# KiCad board mtk64_R_rev2.kicad_pcb
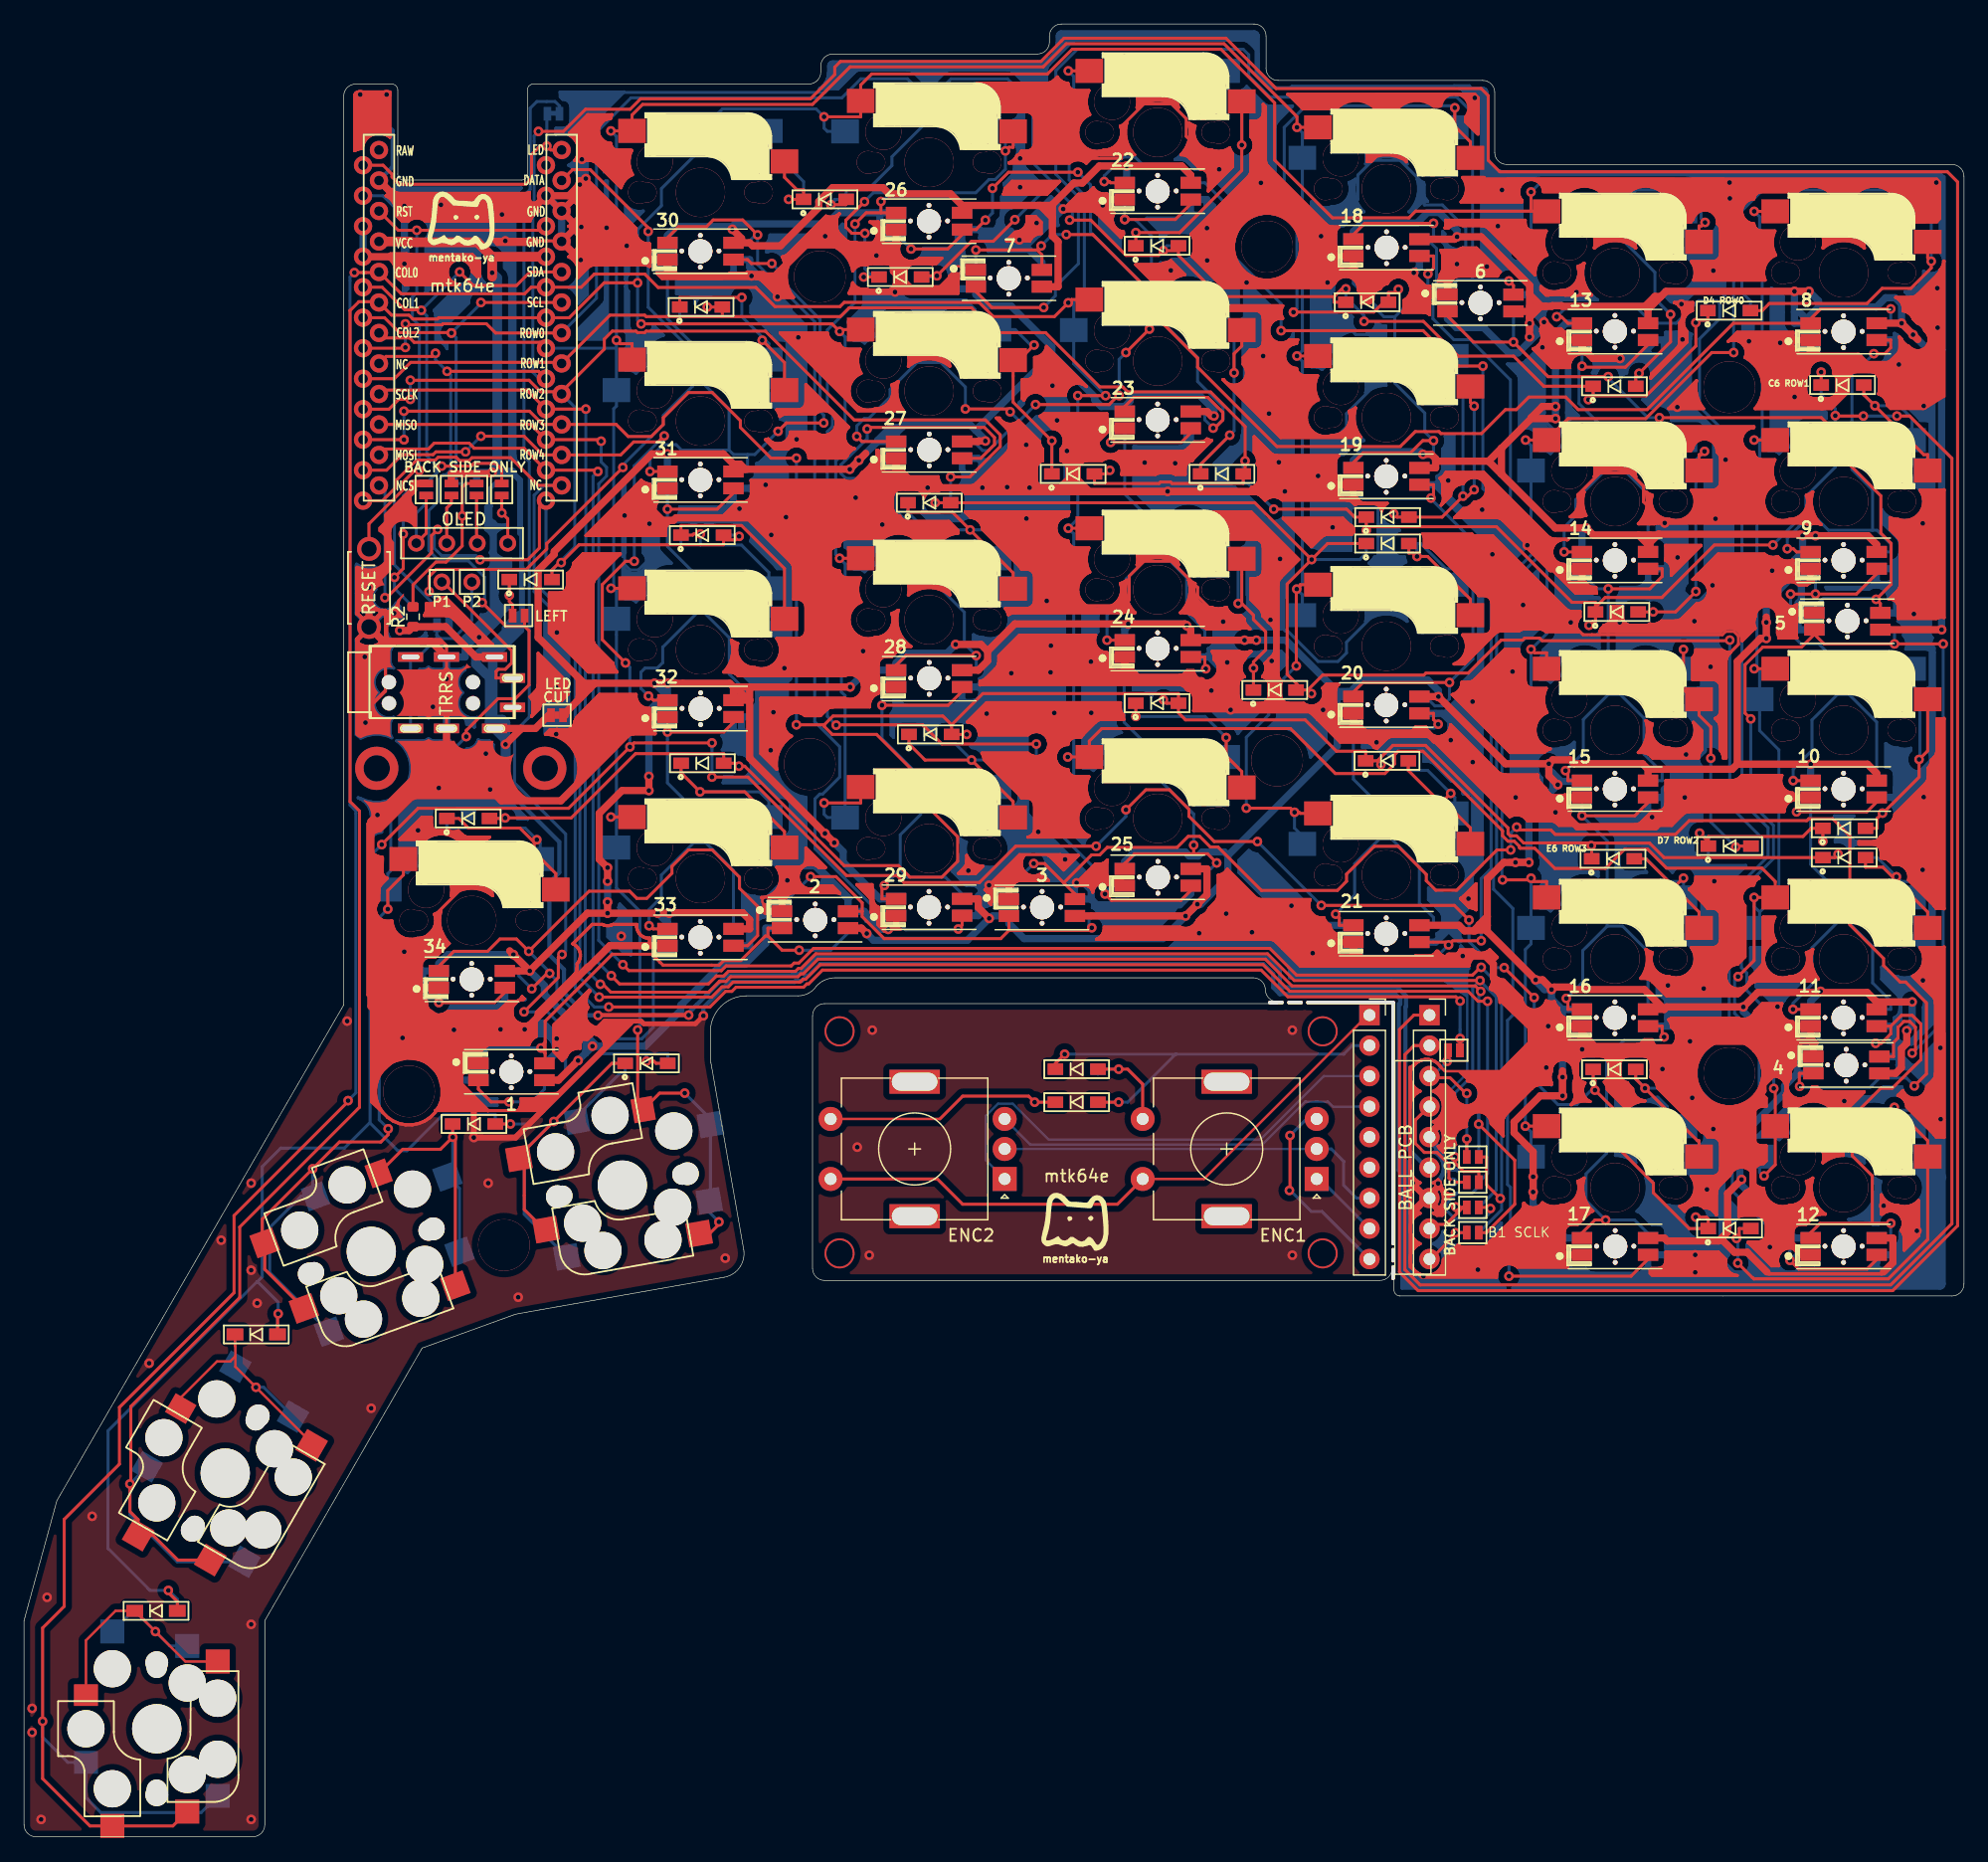
[diagram p0: board, top side]
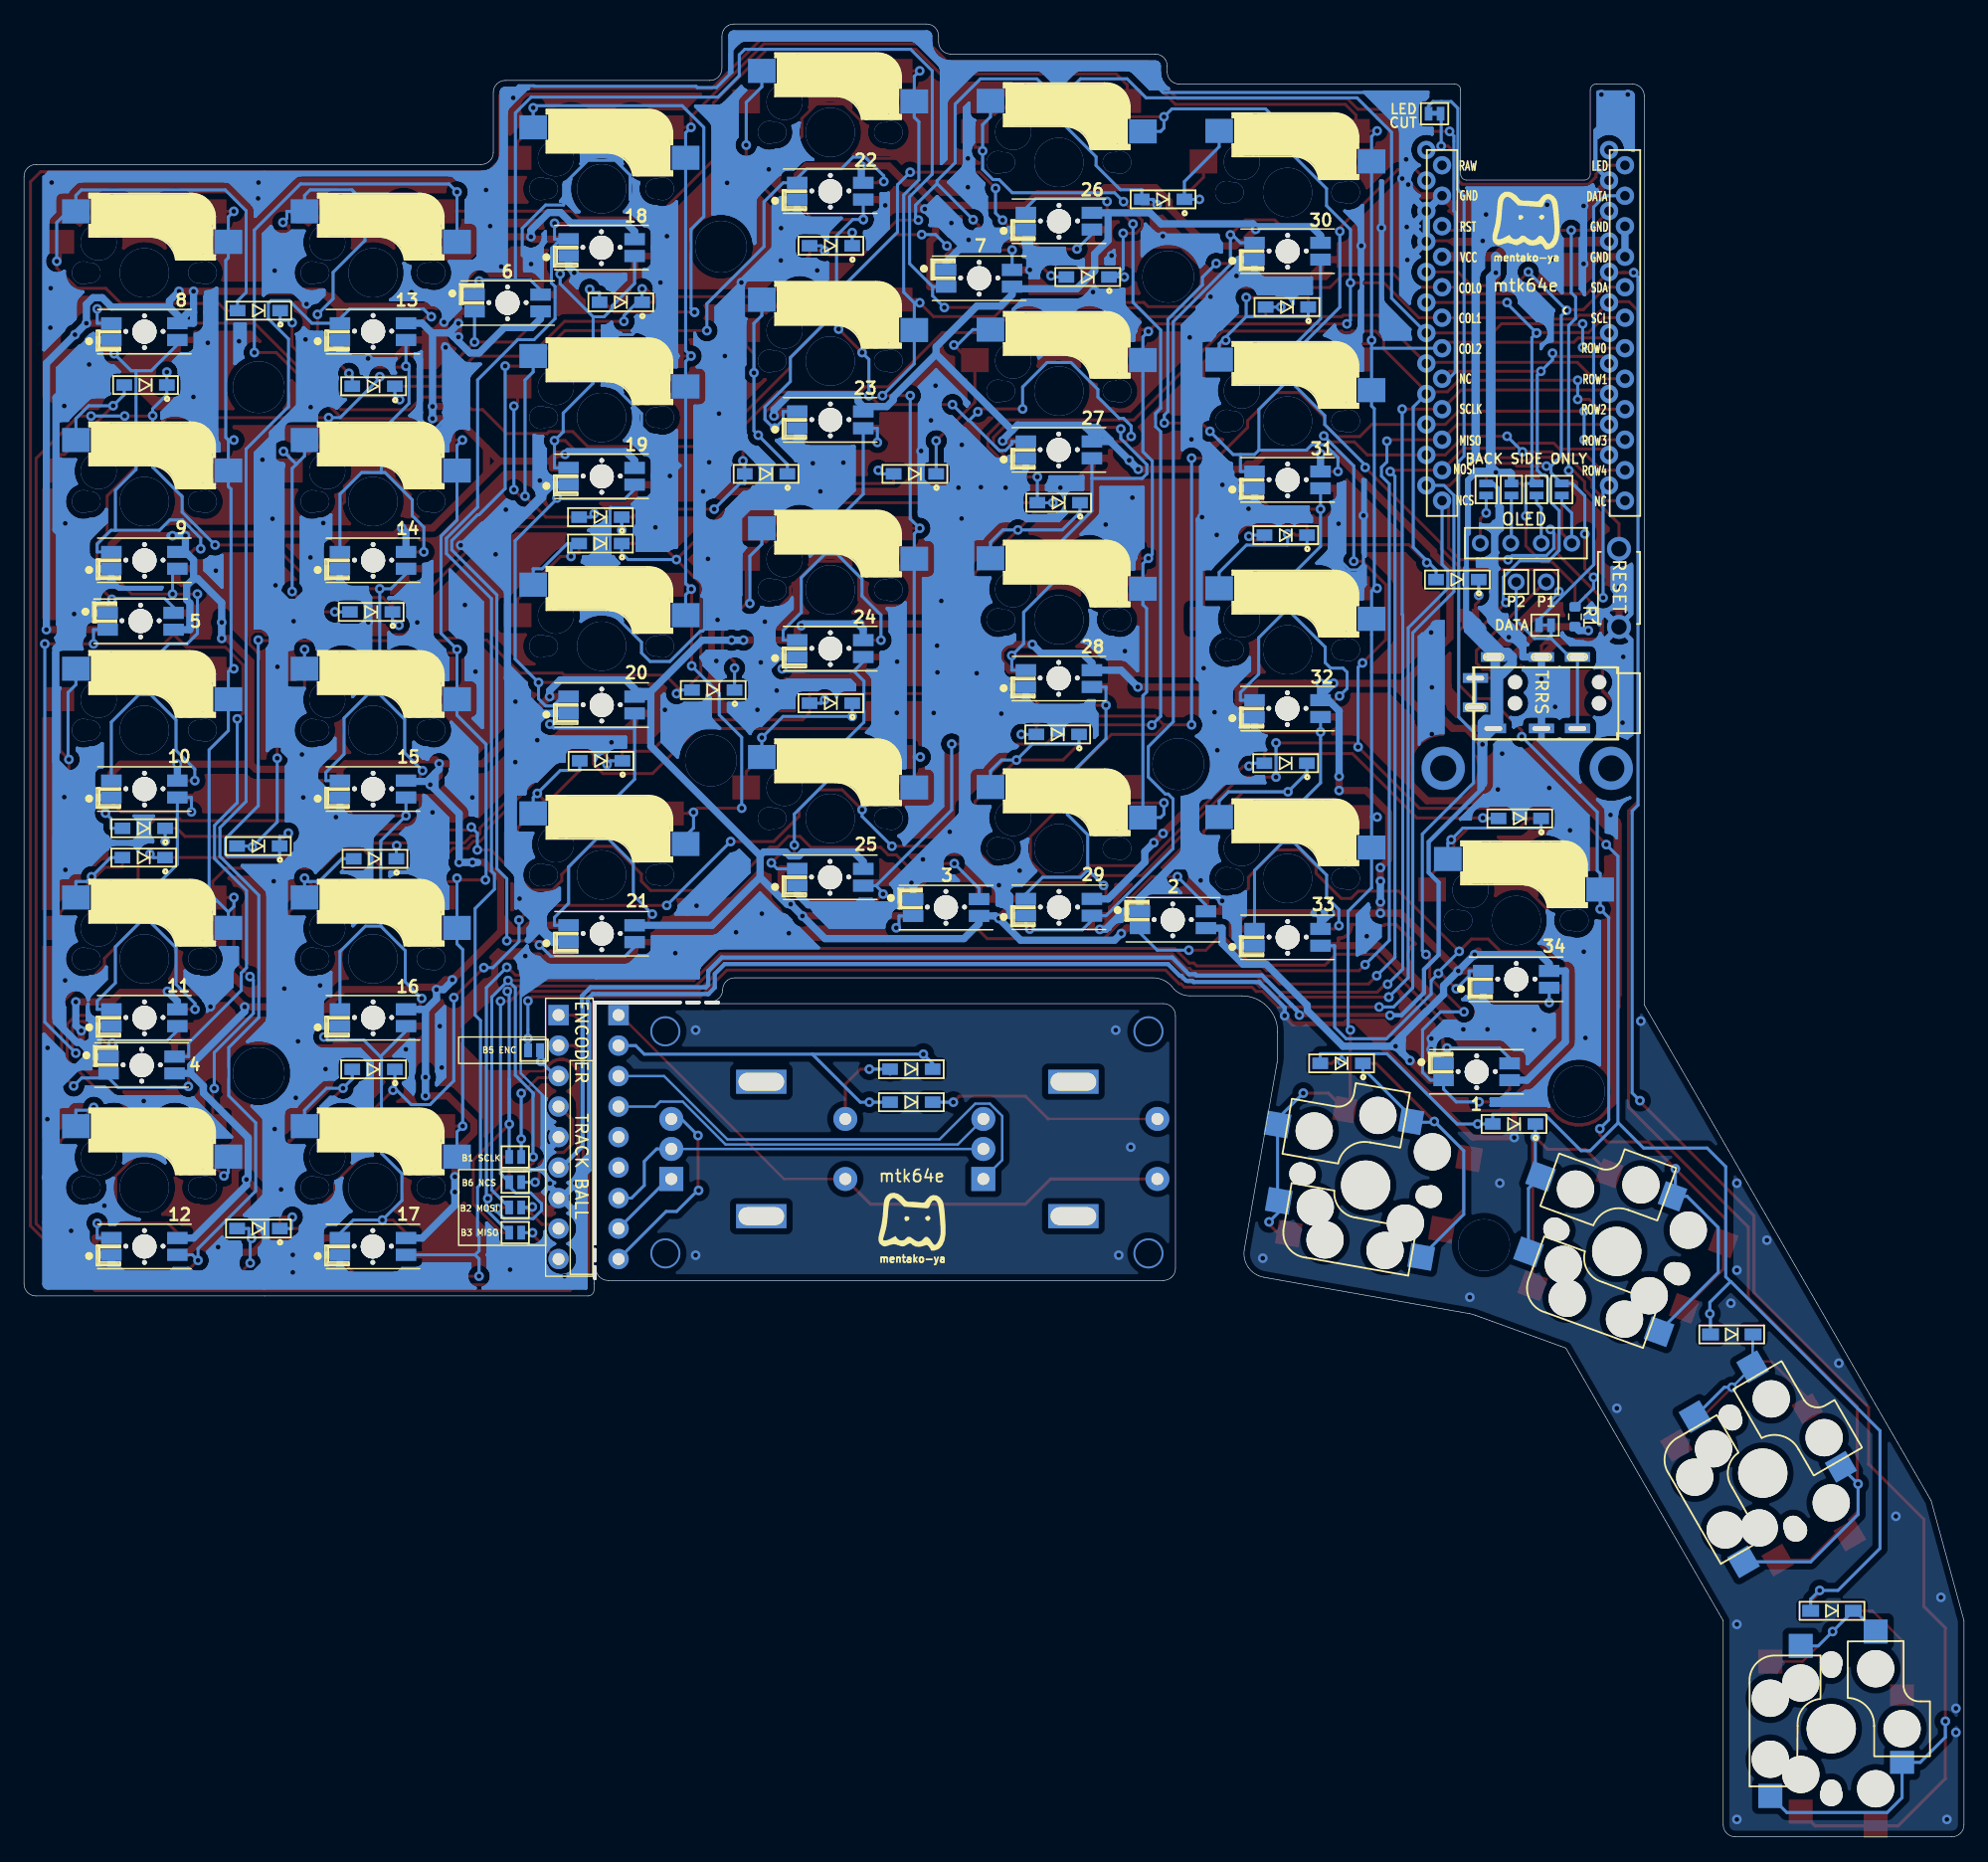
[diagram p1: board, bottom side, seen from below]

Outline 161.64 x 151 mm; copper layers: Top, Bottom. Coordinates in mm from the lower left corner of the outline.
Outline path: 0,1 0,18 2.74,28 26.64,69.3 26.64,145 arc(26.93,145.71) 27.64,146 30.64,146 arc(30.99,145.85) 31.14,145.5 31.14,138.5 arc(31.29,138.15) 31.64,138 41.44,138 arc(41.79,138.15) 41.94,138.5 41.94,145.5 arc(42.09,145.85) 42.44,146 65.38,146 arc(66.09,146.29) 66.38,147 66.38,147.5 arc(66.68,148.21) 67.39,148.5 84.44,148.5 arc(85.14,148.79) 85.44,149.5 85.44,150 arc(85.73,150.71) 86.44,151 102.49,151 arc(103.19,150.71) 103.49,150 103.49,147.3 arc(103.78,146.59) 104.49,146.3 121.53,146.3 arc(122.24,146.01) 122.53,145.3 122.53,140.3 arc(122.83,139.59) 123.53,139.3 160.64,139.3 arc(161.34,139.01) 161.64,138.3 161.64,46.05 arc(161.34,45.34) 160.64,45.05 114.65,45.05 arc(114.29,45.2) 114.15,45.55 114.15,47.6 113.99,47.6 113.99,47.35 arc(113.69,46.64) 112.99,46.35 66.7,46.35 arc(65.99,46.64) 65.7,47.35 65.7,68.4 arc(65.99,69.11) 66.7,69.4 104.43,69.4 104.43,69.57 arc(103.73,69.85) 103.43,70.53 arc(103.14,71.25) 102.43,71.55 67.57,71.55 arc(66.71,71.37) 66.01,70.85 arc(65.34,70.25) 64.47,70.05 60.18,70.05 arc(58.06,69.17) 57.18,67.05 57.19,65.01 arc(57.2,64.75) 57.23,64.49 59.96,48.92 arc(59.63,47.43) 58.34,46.61 41.23,43.58 arc(40.97,43.53) 40.72,43.45 33.17,40.71 20.06,18 20.06,1 arc(19.77,0.29) 19.06,0 1,0 arc(0.29,0.29) 0,1
Stack: Top 0.035mm / dielectric 1.51mm FR4 er 4.5 / Bottom 0.035mm

## Placement (name value [footprint] x y rotation side)
D1  D  [D3_SMD]  87.71 63.94 0 top
D1#2  D  [D3_SMD]  87.71 61.19 0 top
D24  D  [D3_SMD_v2]  11 18.82 0 top
D24#2  D  [D3_SMD_v2]  19.35 41.85 0 top
D24#3  D  [D3_SMD_v2#2]  19.35 41.85 0 bottom
D24#4  D  [D3_SMD_v2]  11 18.82 0 bottom
ENC1  -  [RotaryEncoder_Alps_EC11E-Switch_Vertical_H20mm]  107.71 54.8 180 top
ENC2  -  [RotaryEncoder_Alps_EC11E-Switch_Vertical_H20mm]  81.71 54.8 180 top
J*  MJ-4PP-9_BL_kai  [TRRS_MJ-4PP-9_SLIM]  34.91 94.42 90 top
J*#2  MJ-4PP-9_BL_kai  [TRRS_MJ-4PP-9_SLIM]  34.9 96.18 270 bottom
LED**  -  [LED_SK6812MINI-E_HOLE]  73.6 136.15 0 top
LED**#2  -  [LED_SK6812MINI-E_HOLE]  130.75 126.97 0 top
LED**#3  -  [LED_SK6812MINI-E_HOLE]  119.55 129.35 0 top
LED**#4  -  [LED_SK6812MINI-E_HOLE]  73.62 117.1 0 top
LED**#5  -  [LED_SK6812MINI-E_HOLE]  38.8 65.3 0 top
LED**#6  -  [LED_SK6812MINI-E_HOLE]  150.03 65.85 0 top
LED**#7  -  [LED_SK6812MINI-E_HOLE]  92.65 100.55 0 top
LED**#8  -  [LED_SK6812MINI-E_HOLE]  80.25 131.4 0 top
LED**#9  -  [LED_SK6812MINI-E_HOLE]  130.75 69.8 0 top
LED**#10  -  [LED_SK6812MINI-E_HOLE]  150.12 102.85 0 top
LED**#11  -  [LED_SK6812MINI-E_HOLE]  54.55 114.6 0 top
LED**#12  -  [LED_SK6812MINI-E_HOLE]  92.65 119.6 0 top
LED**#13  -  [LED_SK6812MINI-E_HOLE]  92.68 81.5 0 top
LED**#14  -  [LED_SK6812MINI-E_HOLE]  130.78 50.75 0 top
LED**#15  -  [LED_SK6812MINI-E_HOLE]  64.12 77.95 0 top
LED**#16  -  [LED_SK6812MINI-E_HOLE]  149.8 50.75 0 top
LED**#17  -  [LED_SK6812MINI-E_HOLE]  130.75 107.9 0 top
LED**#18  -  [LED_SK6812MINI-E_HOLE]  35.5 73 0 top
LED**#19  -  [LED_SK6812MINI-E_HOLE]  54.55 76.5 0 top
LED**#20  -  [LED_SK6812MINI-E_HOLE]  73.62 98.07 0 top
LED**#21  -  [LED_SK6812MINI-E_HOLE]  54.55 133.65 0 top
LED**#22  -  [LED_SK6812MINI-E_HOLE]  149.8 69.8 0 top
LED**#23  -  [LED_SK6812MINI-E_HOLE]  149.8 126.95 0 top
LED**#24  -  [LED_SK6812MINI-E_HOLE]  149.8 107.9 0 top
LED**#25  -  [LED_SK6812MINI-E_HOLE]  92.65 138.65 0 top
LED**#26  -  [LED_SK6812MINI-E_HOLE]  130.75 88.85 0 top
LED**#27  -  [LED_SK6812MINI-E_HOLE]  83.03 79 0 top
LED**#28  -  [LED_SK6812MINI-E_HOLE]  111.7 95.85 0 top
LED**#29  -  [LED_SK6812MINI-E_HOLE]  149.8 88.85 0 top
LED**#30  -  [LED_SK6812MINI-E_HOLE]  54.57 95.55 0 top
LED**#31  -  [LED_SK6812MINI-E_HOLE]  73.6 79 0 top
LED**#32  -  [LED_SK6812MINI-E_HOLE]  111.7 114.9 0 top
LED**#33  -  [LED_SK6812MINI-E_HOLE]  111.7 76.8 0 top
LED**#34  -  [LED_SK6812MINI-E_HOLE]  111.72 133.95 0 top
mentako**  mentako-ya  [mentako-ya_70]  36.46 134.59 0 top
mentako**#2  mentako-ya  [mentako-ya_70]  87.61 51.19 0 top
mentako**#3  mentako-ya  [mentako-ya_70]  36.46 134.59 0 top
mentako**#4  mentako-ya  [mentako-ya_70]  87.61 51.19 0 top
NOREF  -  [unnamed]  114.05 47.02 0 top
REF**  -  [長穴]  104 69.55 0 top
REF**#2  長穴  [長穴#2]  105.7 69.55 0 top
REF**#3  -  [PinSocket_1x09_P2.54mm_Vertical]  117.1 68.45 0 top
REF**#4  長穴  [長穴#3]  114.12 48.4 270 top
REF**#5  -  [PinSocket_1x09_P2.54mm_Vertical]  112.1 68.45 0 top
REF**#6  長穴  [長穴#5]  113.97 59.28 90 top
REF**#7  長穴  [長穴#4]  110.38 69.5 0 top
SW2  KEY_SWITCH  [CherryMX_Choc_Hotswap]  49.85 54.28 190 top
SW2#2  KEY_SWITCH  [CherryMX_Choc_Hotswap]  28.93 48.76 200 top
SW3  KEY_SWITCH  [CherryMX_Choc_Hotswap]  16.77 30.29 240 top
SW4  KEY_SWITCH  [CherryMX_Choc_Hotswap]  11.06 9 270 top

## Footprints (pads in the part's own frame, mm; a bottom-side part is the same pattern mirrored in y, then rotated)
CherryMX_Choc_Hotswap
  round 1.9 hole 1.9 unplated: (-5.5,0) (5.5,0)
  round 1.7 hole 1.7 unplated: (-5.08,0) (5.08,0)
  round 3.1 hole 3.1 unplated: (-5,-3.7) (-3.81,2.54) (-2.54,5.08) (0,-5.9) (2.54,5.08) (3.81,2.54) (5,-3.7)
  round 4.1 hole 4.1 unplated: (0,0)
  rect 2x2 smd far side: 1(-8.1,-3.7) 1(-6.9,2.54) 2(5.6,5.08)
  rect 2x2 smd: 1(-5.6,5.08) 1(8.1,-3.7) 2(6.9,2.54)
  rect 1.8x2 smd: 2(-2.8,-5.9)
  rect 1.9x2 smd far side: 2(2.8,-5.9)
D3_SMD
  rect 1.3x0.95 smd: 1(-1.775,0) 2(1.775,0)
  rect 1.3x0.95 smd far side: 1(-1.775,0) 2(1.775,0)
D3_SMD_v2
  rect 1.4x1 smd: 1(1.775,0) 2(-1.775,0)
D3_SMD_v2#2
  rect 1.4x1 smd: 1(-1.775,0) 2(1.775,0)
LED_SK6812MINI-E_HOLE
  custom 0.4x0.4 hole 0.5x3.1 unplated: (0.25,-1.55) (3.35,-1.55)
  custom 0.4x0.4 hole 3.6x0.5 unplated: (1.8,-0.25) (1.8,-2.9)
  custom 2x2 hole 3.6x3.15 unplated: (1.8,-1.575) (1.8,-1.575)
PinSocket_1x09_P2.54mm_Vertical
  rect 1.7x1.7 hole 1: 1(0,0)
  oval 1.7x1.7 hole 1: 2(0,-2.54) 3(0,-5.08) 4(0,-7.62) 5(0,-10.16) 6(0,-12.7) 7(0,-15.24) 8(0,-17.78) 9(0,-20.32)
RotaryEncoder_Alps_EC11E-Switch_Vertical_H20mm
  rect 2x2 hole 1: A(0,0)
  round 2 hole 1: B(0,-5) C(0,-2.5) S1(14.5,-5) S2(14.5,0)
  rect 4.2x2 hole 3.8x1.5: MP(7.5,3.1) MP(7.5,-8.1)
TRRS_MJ-4PP-9_SLIM
  round 1.21 hole 1.2 unplated: (0,4.5) (0,-2.5)
  oval 0.7x1.8 hole 0.4x1.5: A(2.1,-5.8) B(-2.1,2.7) C(-2.1,-0.3) D(-2.1,-4.3)
unnamed
  oval 0.3x1.2 hole 0.3x1.2: (0.025,-0.05)
長穴
  oval 1.3x0.3 hole 1.3x0.3: (0.3,-0.055)
長穴#2
  oval 1.3x0.3 hole 1.3x0.3: (0.2,-0.055)
長穴#5
  oval 20.35x0.3 hole 20.35x0.3: (0.165,-0.1)
長穴#3
  oval 1.2x0.3 hole 1.2x0.3: (-0.045,-0.05)
長穴#4
  oval 7.4x0.3 hole 7.4x0.3: (0.15,0)

## Nets
GND: J*.C J*#2. J*#2.C REF**#3.5 REF**#3.7
VCC: J*.D J*#2.D REF**#3.6
B2_MOSI: REF**#3.8
B3_MISO: REF**#3.9
B5_ENC: REF**#3.3
B6_NCS: REF**#3.4
C6_ROW1: REF**#3.2
F7_COL3: REF**#3.1 SW2#2.1 SW2#2.2

Pads without a net: D1 1 2; D1#2 1 2; D24 1 2; D24#2 1 2; D24#3 1 2; D24#4 1 2; ENC1 A B C MP S1 S2; ENC2 A B C MP S1 S2; J* A B; J*#2 A B; REF**#5 1 2 3 4 5 6 7 8 9; SW2 1 2; SW3 1 2; SW4 1 2

## Via types
v1: diameter 1.9, hole 1.9, Top to Bottom, 54 vias
v2: diameter 0.4, hole 0.4, Top to Bottom, 545 vias
v3: diameter 4.3, hole 4.3, Top to Bottom, 8 vias
v4: diameter 3, hole 3, Top to Bottom, 108 vias
v5: diameter 0.8, hole 0.4, Top to Bottom, 71 vias
v6: diameter 0.813, hole 0.813, Top to Bottom, 54 vias
v7: diameter 1.7, hole 1.7, Top to Bottom, 54 vias
v8: diameter 4.1, hole 4.1, Top to Bottom, 27 vias
v9: diameter 1.3, hole 1.3, Top to Bottom, 2 vias
v10: diameter 2.2, hole 2.2, Top to Bottom, 2 vias
v11: diameter 0.3, hole 0.3, Top to Bottom, 8 vias
v12: diameter 1.2, hole 1.2, Top to Bottom, 2 vias
v13: diameter 2.5, hole 2.2, Top to Bottom, 4 vias
